# KiCad board tida_010057_imported.kicad_pcb (continued)
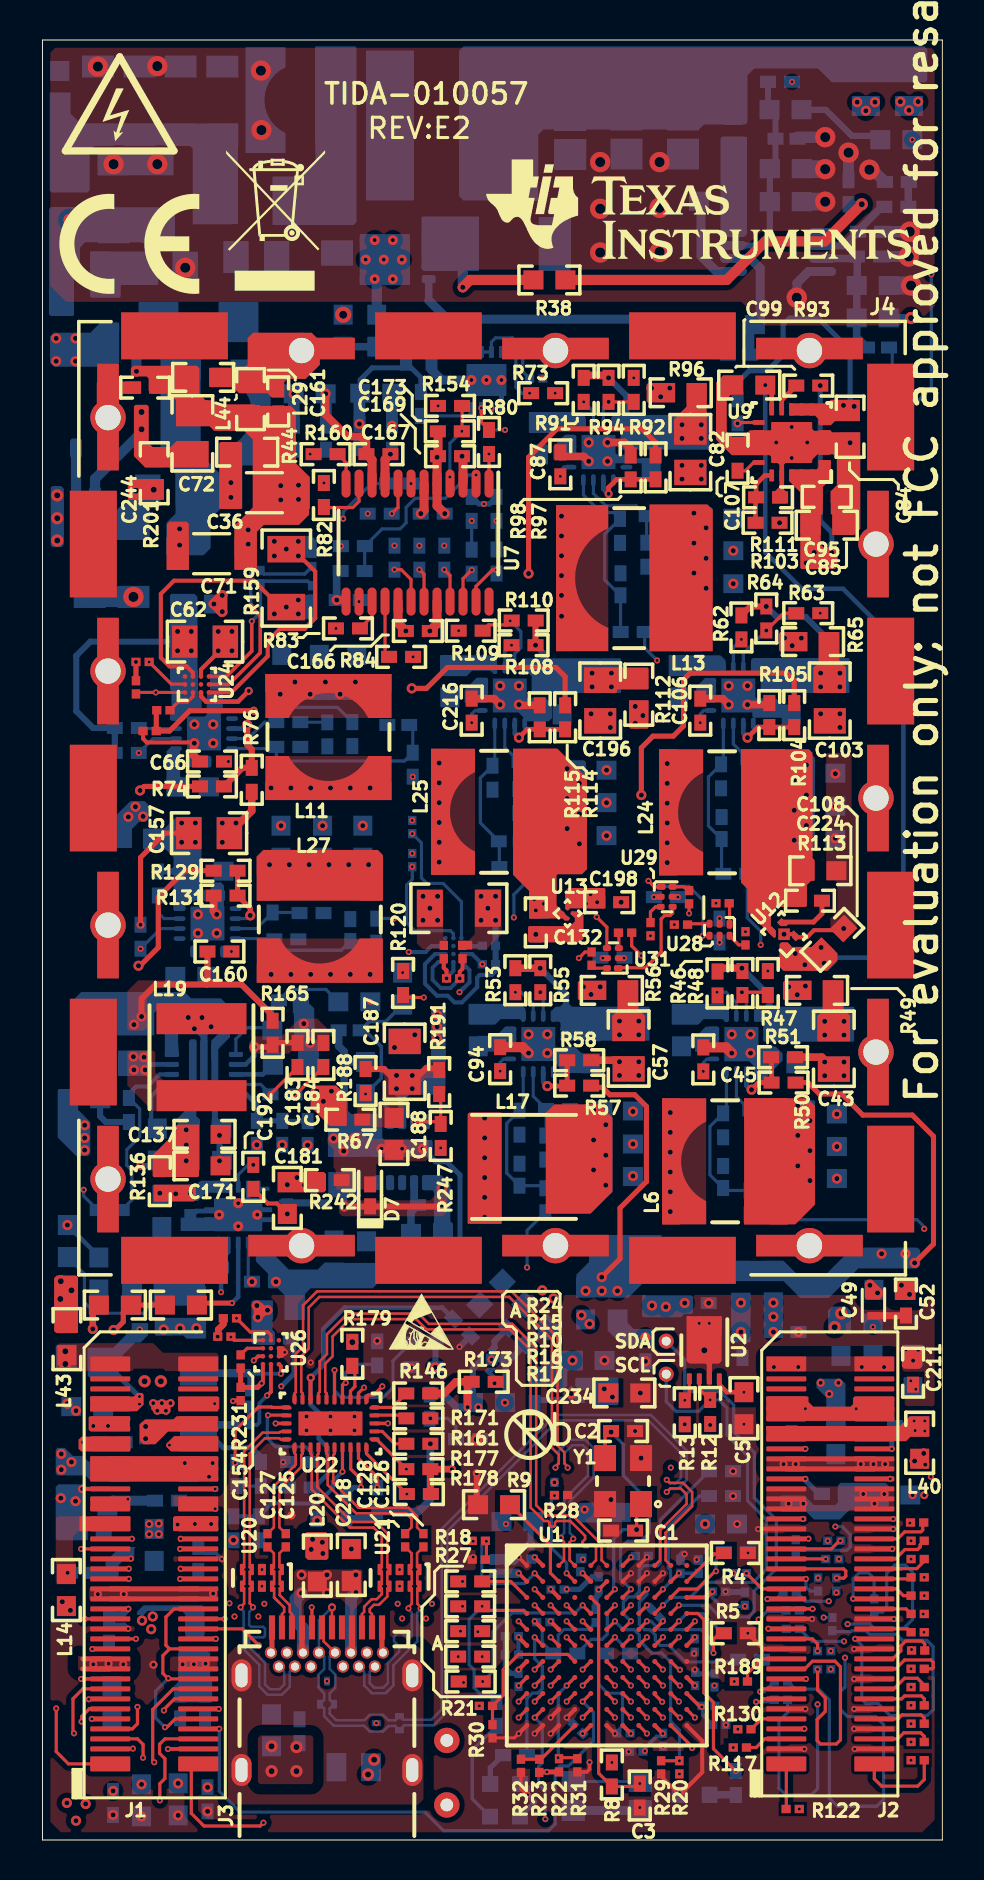
[diagram p0: board, top side]
## Nets (continued)
NetC121_1: C121.1 C179.2 C191.1 L28.1 R140.2 U15.10
NetC129_1: C129.1 J3.S1 J3.S2 J3.S3 J3.S4 L21.1
NetC130_2: C130.2 R162.1 R171.1
NetC132_1: C132.1 C135.1 C219.1 C220.1 C221.1 L25.2 R114.2 U13.A1 U13.B1
NetC157_1: C157.1 C158.1 C159.1 R124.1 R127.1 R128.1 U30.1 U30.2 U30.16
NetC160_1: C160.1 U30.9
NetC164_1: C164.1 C234.1 C235.1 L32.1 U17.1
NetC173_1: C173.1 R154.2 U7.4
NetC175_1: C175.1 R107.1
NetC176_1: C176.1 U14.13
NetC176_2: C176.2 L25.1 U14.10 U14.11 U14.12
NetC179_1: C179.1 R137.1 R140.1 U15.9
NetC181_1: C181.1 C189.1 R242.2 U15.5
NetC182_2: C182.2 R138.1 R142.2 U8.5
NetC183_1: C183.1 R164.2 U8.4
NetC184_1: C184.1 R164.1
NetC186_1: C186.1 R190.1 R239.2 U16.7
NetC187_1: C187.1 C188.1 C193.1 R67.2 R181.2 R188.2 R191.1 U16.3
NetC188_2: C188.2 C194.2 D7.2 D8.2 R239.1 R241.1 R242.1 U16.1 U16.11
NetC190_1: C190.1 R163.2 R195.2 U15.7
NetC190_2: C190.2 C195.2 C207.1 L34.2 R195.1 U15.6
NetC192_2: C192.2 U15.3
NetC196_1: C196.1 C197.1 C215.1 R108.1 R110.1 R112.1 U14.1 U14.2 U14.16
NetC198_1: C198.1 C199.1 L41.2 U13.A2
NetC206_1: C206.1 D8.1 R188.1 R241.2 U16.2
NetC208_2: C208.2 C214.2 L5.2 Q3.3 R201.1
NetC216_1: C216.1 U14.9
NetC217_1: C217.1 C218.1 J3.A4 J3.A9 J3.B4 J3.B9 L20.2
NetC222_1: C222.1 R118.2 U14.7
NetC223_1: C223.1 R118.1
NetC225_1: C225.1 R101.2 U10.7
NetC226_1: C226.1 R101.1
NetC227_1: C227.1 C228.1 C229.1 L27.2 L31.2 R129.2
NetC230_1: C230.1 R133.2 U30.7
NetC231_1: C231.1 R133.1
NetC237_2: C237.2 D10.1 R106.1 U11.8
NetC238_2: C238.2 D11.1 R116.1 U14.8
NetC239_2: C239.2 D12.1 R60.1 U4.8
NetC240_2: C240.2 D13.1 R61.1 U5.8
NetC241_1: C241.1 Q2.1 R200.2
NetC243_1: C243.1 D17.1 R139.1 U8.1
NetD1_1: D1.1 R14.2
NetD2_1: D2.1 R26.2
NetD4_1: D4.1 R34.1 U3.6
NetD4_2: D4.2 Q1.4 R34.2
NetD9_1: D9.1 R43.2
NetD18_2: D18.2 R123.2
NetJ1_10: J1.10 J1.18 J1.24 J1.32
NetL42_1: L42.1 Q2.2
NetL43_1: L43.1 Q3.2
NetQ1_1: Q1.1 Q1.2 Q1.3 R38.2 R41.2
NetR1_2: R1.2 U1.E7
NetR2_2: R2.2 U1.C10
NetR3_2: R3.2 U1.F6
NetR4_2: R4.2 U1.B11
NetR5_2: R5.2 U1.E8
NetR6_2: R6.2 U1.C9
NetR7_1: R7.1 U1.C8
NetR9_2: R9.2 U1.B3
NetR10_2: R10.2 U1.D7
NetR11_2: R11.2 U1.D6
NetR14_1: R14.1 U1.F2
NetR15_1: R15.1 R43.1 U1.D1
NetR16_1: R16.1 U1.D3
NetR17_1: R17.1 U1.D5
NetR24_1: R24.1 U1.C1
NetR25_1: R25.1 U17.3
NetR26_1: R26.1 U1.D11
NetR47_2: R47.2 R48.2 U4.15
NetR55_2: R55.2 U5.15
NetR63_2: R63.2 R64.2 U11.15
NetR69_2: R69.2 U6.15
NetR70_1: R70.1 U27.8
NetR73_2: R73.2 U27.4
NetR75_1: R75.1 R80.1 U7.1
NetR79_1: R79.1 R81.2 U7.2
NetR82_2: R82.2 U7.11
NetR83_2: R83.2 U7.15
NetR84_2: R84.2 U7.16
NetR85_2: R85.2 U7.8
NetR86_2: R86.2 U7.7
NetR87_2: R87.2 U7.18
NetR88_2: R88.2 U7.19
NetR89_2: R89.2 U7.21
NetR90_1: R90.1 U22.24
NetR92_2: R92.2 R94.2 U10.15
NetR93_1: R93.1 U9.9
NetR95_2: R95.2 U31.3
NetR99_1: R99.1 U9.11
NetR102_2: R102.2 U31.6
NetR103_1: R103.1 R111.2 U9.16
NetR109_2: R109.2 R110.2 U14.15
NetR113_1: R113.1 U12.3
NetR117_1: R117.1 U1.F10
NetR122_1: R122.1 U1.F9
NetR125_1: R125.1 U1.F7
NetR127_2: R127.2 U30.15
NetR130_1: R130.1 U1.G10
NetR135_1: R135.1 R246.1 U8.11
NetR141_2: R141.2 U8.3
NetR146_1: R146.1 U22.30
NetR149_1: R149.1 U1.G9
NetR150_1: R150.1 U1.F8
NetR155_1: R155.1 U1.H10
NetR156_1: R156.1 U1.H9
NetR157_2: R157.2 U7.22
NetR158_2: R158.2 U7.23
NetR160_2: R160.2 U7.12
NetR161_2: R161.2 U22.27
NetR163_1: R163.1 U15.8
NetR167_2: R167.2 U28.1
NetR168_1: R168.1 U22.5
NetR169_1: R169.1 U1.J10
NetR170_2: R170.2 U22.12
NetR171_2: R171.2 U22.29
NetR172_2: R172.2 U28.3
NetR173_1: R173.1 U23.3
NetR174_2: R174.2 U22.11
NetR175_2: R175.2 U28.6
NetR179_2: R179.2 U22.3
NetR184_1: R184.1 U25.B1
NetR187_2: R187.2 U29.3
NetR189_1: R189.1 U1.J9
NetR191_2: R191.2 R247.1 U16.4
NetR192_1: R192.1 U1.K11
NetR193_1: R193.1 U1.L10
NetR194_1: R194.1 U1.K10
NetR196_1: R196.1 U1.K9
NetR197_1: R197.1 U1.J8
NetR198_1: R198.1 U1.G8
NetR199_1: R199.1 U1.J6
NetR216_1: R216.1 U1.K2
NetR217_1: R217.1 U1.J4
NetR218_1: R218.1 U1.K1
NetR219_1: R219.1 U1.J2
NetR220_1: R220.1 U1.J3
NetR221_1: R221.1 U1.J1
NetR222_1: R222.1 U1.H2
NetR223_1: R223.1 U1.H3
NetR224_1: R224.1 U1.F4
NetR225_1: R225.1 U1.G2
NetR226_1: R226.1 U1.G3
NetR227_1: R227.1 U1.F3
NetR228_1: R228.1 U1.F5
NetR231_1: R231.1 U26.B1
NetR234_2: R234.2 U29.6
NetR235_1: R235.1 U24.B1
NetR240_1: R240.1 U1.E1
NetR243_1: R243.1 U1.E5
NetR244_1: R244.1 U1.E4
NetU28_4: U28.4 U29.1
NetU29_4: U29.4 U31.1
PORT: R153.1 R176.1 U22.4
RX_PG_1V2: R102.1 R108.2 U14.14
RX_PG_1V8: R91.2 R175.1 U10.14
RX_PG_3V3: R62.2 R187.1 U11.14
SSRX1_N: J3.B10 U20.5 U20.6 U22.14
SSRX1_P: J3.B11 U20.4 U20.7 U22.15
SSRX2_N: J3.A10 U21.5 U21.6 U22.18
SSRX2_P: J3.A11 U21.4 U21.7 U22.19
SSRXM: U1.A3 U22.10
SSRXP: U1.A4 U22.9
SSTX1_N: C125.1 J3.A3 U20.1 U20.10
SSTX1_N_SYS: C127.2 U22.16
SSTX1_P: C127.1 J3.A2 U20.2 U20.9
SSTX1_P_SYS: C125.2 U22.17
SSTX2_N: C126.2 J3.B3 U21.1 U21.10
SSTX2_N_SYS: C128.1 U22.20
SSTX2_P: C128.2 J3.B2 U21.2 U21.9
SSTX2_P_SYS: C126.1 U22.21
SSTXM: U1.A6 U22.7
SSTXP: U1.A5 U22.6
SYNC_1V2_FX3: C239.1 R88.1
SYNC_1V2_RX: C238.1 R82.1
SYNC_1V8_FX3: C240.1 R87.1
SYNC_1V8_RX: C69.1 R84.1
SYNC_3V3_RX: C237.1 R83.1
SYNC_5V_TX: C243.2 R89.1
SYNC_-5V_TX: C206.2 R120.1 U27.6
SYNC_FPGA_1V: C65.1 R86.1
SYNC_FPGA_2V5: C60.1 R85.1
SYNC_HV_TX: C28.1 R160.1
SYNC_INPUT: R80.2 U27.7
TX_5V: C180.2 J1.57 J1.58 J1.59 J1.60 J1.61 J1.62 L28.2
TX_-5V: C185.1 J1.67 J1.69 L34.1
UART_RX: J1.29 R17.2
UART_TX: J1.25 U1.C2
VFB_FPGA_1V: R129.1 R131.2 U30.6
VFB_FPGA_2V5: R74.1 R76.2 U6.6
VFB_FX3_1V2: R50.1 R51.2 U4.6
VFB_FX3_1V8: R57.1 R58.2 U5.6
VFB_RX_1V2: R114.1 R115.2 U14.6
VFB_RX_1V8: R97.1 R98.2 U10.6
VFB_RX_3V3: R104.1 R105.2 U11.6
VTX_5V: R54.1 R134.2 R145.2 R159.2 R181.1 U24.D1
XTALIN: C1.1 U1.C6 Y1.1
XTALOUT: C2.1 U1.C7 Y1.3

Pads without a net: J1 75 76 77 78; J2 75 76 77 78; J3 A8 B8; U1 A11 C4; U7 24; U8 9; U16 5 8 9 10; U24 A3 B2 C2; U25 A3 B2 C2; U26 A3 B2 C2

## Via types
v1: diameter 0.508, hole 0.254, Top Layer to Bottom Layer, 429 vias
v2: diameter 0.305, hole 0.152, Top Layer to Bottom Layer, 424 vias
v3: diameter 0.406, hole 0.203, Top Layer to Bottom Layer, 96 vias
v4: diameter 0.5, hole 0.2, Top Layer to Bottom Layer, 27 vias
v5: diameter 0.61, hole 0.305, Top Layer to Bottom Layer, 28 vias
v6: diameter 0.33, hole 0.152, Top Layer to Bottom Layer, 1 via
v7: diameter 1.016, hole 0.508, Top Layer to Bottom Layer, 23 vias
v8: diameter 0.813, hole 0.406, Top Layer to Bottom Layer, 1 via

## Routing (per net, layer and track width the routed paths; a pad name or vN(x,y) marks a point on that pad's centre or on a via; arc(x,y) is an arc through that point)
1.8V_AVDD:
  vias: v3(37.31,16.81) v3(38.05,16.81) v3(41.05,17.3) v3(41.61,16.81) v3(42.1,17.3)
1.8V_AVDD_VCA: length 8.8
  Top Layer w0.249: J2.59 J2.60 ; J2.61 J2.62
  vias: v3(37.06,18.8) v3(37.67,18.8) v3(40.92,18.8) v3(41.55,18.8) v3(42.14,18.8)
1V2_DVDD: length 2.7
  Top Layer w0.249: 2.01,8.56 J1.19 ; 2.02,9.06 J1.21
  vias: v3(2.54,8.79) v3(3.3,8.81) v3(4.04,8.79)
1V8_AVDD_IO_TX:
  vias: v1(5.16,20.68) v1(5.16,20.07)
1V8_DVDD: length 0.1
  Bottom Layer w0.178: v3(1.26,13.36) C91.2
1V8_VDD_RX: length 60.3
  Signal Layer 1 w0.254: v3(39.8,22.86) 38.58,24.08 38.58,26.24 36.22,28.6 36.22,30.12 37.67,31.57 40.82,31.57 43,33.76 43,57.99 36.86,64.13 v1(36.86,65.86)
  Bottom Layer w0.254: v1(39.47,64.38) 39.47,65.38 38.89,65.96 v1(38.89,72.72)
  vias: v1(0.99,11.91) v1(1.24,21.82) v1(1.4,11.48) v1(1.68,21.46) v1(38.19,63.86) v1(38.6,64.38) v1(39.07,63.86) v3(38.91,22.86) v3(39.34,22.3) v3(43.51,17.25) v3(44.09,17.25)
3.3V: length 37.7
  Top Layer w0.229: U9.10 36.47,72.42 v3(36.14,72.75)
  Bottom Layer w0.229: v3(36.14,72.75) 36.14,72.74 36.14,64.39 37.97,62.56 40.03,62.56 43.05,59.54 43.05,45.24 41.94,44.12 39.45,44.12 v1(38.94,44.63)
  vias: v1(37.64,44.32) v1(38.13,43.76) v1(39.09,43.84) v1(43.61,18.95) v1(44.07,19.33) v3(44.15,18.77)
3.3V_AVDD:
  vias: v2(43.59,20.96) v2(43.64,20.47) v2(44.12,20.96) v2(44.12,20.45)
AVSS: length 11.3
  Top Layer w0.203: v3(1.98,17.55) 1.99,17.56 J1.55
  Bottom Layer w0.254: v3(2.03,19.89) C151.1 ; v2(4.85,21.79) v2(4.85,22.17) 4.83,22.17 2.87,24.13 C38.1 ; v2(11.94,22.68) 11.95,22.68 12.58,23.31 12.58,24.83 12.42,24.99 ; C213.1 42.47,20.54 v2(42.47,19.56) ; C93.1 37.48,21.56 v2(38.15,21.56) ; v2(38.15,18.06) 38.15,17.98 38.84,17.3 C92.1
  vias: v1(0.91,17.09) v1(1.65,16.94) v2(4.86,25.53) v2(6.35,19.74) v2(8.61,21.82) v2(8.64,17.55) v2(38.02,16.05) v2(38.15,19.56) v2(40.69,21.56) v2(41.53,25.65) v2(42.39,18.06) v2(42.55,16.05) v2(43.42,22.96) v2(43.67,22.54)
GND_A7: length 6.1
  Top Layer w0.279: C183.2 12.73,39.87 11.51,39.87 11.29,39.65 v1(10.59,39.65)
  Bottom Layer w0.229: U8.2 10.15,38.78 10.59,39.22 v1(10.59,39.65)
  Bottom Layer w0.279: 5.74,33.97 5.74,33.71 v3(4.9,33.71) ; v1(13.07,40.82) 12.92,40.97 D17.2
  vias: v1(10.72,34.76) v1(11.99,34.76) v1(13.39,39.85)
GND_SIG: length 84.7
  Top Layer w0.152: R30.1 23.6,5.11 v2(23.81,5.32)
  Top Layer w0.178: v2(31.85,2.36) 31.76,2.36 30.94,3.19 R29.1 ; v2(11.66,20.83) U22.13 12.28,20.83 ; U1.B8 v2(30.23,13.34) ; R31.1 27.23,3.4 27.36,3.53 v2(27.36,3.89) ; v2(10.57,23.98) 10.78,24.19 U26.C1 ; U1.D8 v2(30.23,11.74) ; 4.04,17.04 4.03,17.06 J1.53 ; J1.17 1.93,8.06 v2(1.93,8.05) ; U22.28 v2(17.27,20.83) ; R32.1 23.93,2.57 24.23,2.26 v2(24.26,2.26) ; J1.45 4.46,15.06 v2(4.47,15.06) 4.53,15.06 ; U1.A8 v2(30.23,14.14) ; U1.B7 v2(29.43,13.34) ; U1.B9 v2(31.03,13.34) ; v2(23.81,14.14) U1.A1 ; 8.15,17.06 8.17,17.07
  Top Layer w0.203: v2(31.85,2.36) 31.97,2.36 32.99,3.39 32.99,4.95 U1.L11 ; v2(42.55,15.54) 42.53,15.56 J2.48 ; C154.2 9.56,21.97 v2(9.53,21.95) ; v2(23.81,8.52) U1.G1 ; v5(33.1,24.49) 33.85,25.24 U2.1 ; J2.29 38.49,11.06 v2(38.48,11.05) ; J2.47 35.8,15.56 v2(35.79,15.54) ; v2(23.81,5.32) U1.L1 ; J2.23 36.05,9.56 v2(35.27,10.34) ; v2(26.21,6.12) U1.K4 ; U1.L6 v2(28.63,5.32) ; v2(24.61,10.94) U1.E2 ; v2(25.41,5.32) U1.L3 ; v2(25.41,6.12) U1.K3 ; v2(24.61,5.32) U1.L2
  Top Layer w0.25: U2.7 33.35,24.24
  Top Layer w0.254: U2.3 32.84,25.91 v2(32.84,25.83) ; U29.2 30.59,47.16 v2(30.58,47.14) ; v5(33.1,24.49) 33.35,24.24
  Top Layer w0.305: 21.72,16.83 v3(21.72,18.34)
  Top Layer w0.356: C49.2 43.17,26.21 C52.1
  Top Layer w0.45: v1(17.4,69.29) 17.13,69.02 U7.9 ; C169.2 19.78,70.42 C173.2 ; v1(19.73,69.14) U7.5 19.73,66.71 v1(20.12,66.32) ; U7.20 19.73,60.81 v1(19.37,60.45)
  Top Layer w0.508: 21.72,16.83 R9.1
  Bottom Layer w0.152: v2(23.81,14.14) 23.61,14.14 C15.2 ; 24.41,15.63 24.57,15.8 ; v2(24.61,10.94) 24.61,10.9 24.99,10.52 24.99,9.87 R11.1 25.79,9.56 25.79,10.24 26.07,10.53 27.32,10.53 C143.2 ; v2(28.63,5.32) 28.63,5.34 29.01,5.72 29.01,7.24 28.91,7.34 28.26,7.34 27.81,7.79 27.81,9.07 28.01,9.27
  Bottom Layer w0.178: v2(8.97,14.05) 8.68,14.33 8.11,14.33 C163.1 ; 32.64,9.47 32.64,9.45 32.66,9.42 ; v2(32.11,14.3) 31.83,14.02 31.83,14 ; v2(32.63,8.52) 32.64,8.53 ; v2(26.21,6.12) C13.2
  Bottom Layer w0.203: U25.B3 19.45,44.7 19.15,44.4 v2(18.31,44.4) ; v1(26.44,22.33) 26.77,22 U17.2 ; v2(4.29,10.57) 4.09,10.77 3.56,10.77 ; v2(35.27,10.34) 35.98,9.63 R7.2 ; U25.C1 21.49,44.3 v2(22,43.79)
  Bottom Layer w0.234: v4(22.2,73) 22.95,72.25
  Bottom Layer w0.25: U27.5 22.95,72.25
  Bottom Layer w0.254: C146.2 C150.2 23.14,8.61 23.42,8.33 C9.2 ; 32.63,8.5 32.82,8.31 C147.2 ; 30.55,11.54 30.35,11.74 v2(30.23,11.74) ; D9.2 24.61,1.91 v2(24.26,2.26) 24.26,2.62 24.08,2.79 D1.2 ; C144.2 27.48,13.16 26.86,12.53 v2(26.21,12.53)
  Bottom Layer w0.305: v2(20.85,24.65) C133.2 ; v2(34.16,12.42) 34.19,12.4 C19.2 ; v2(24.41,14.71) 24.41,15.63 ; v2(4.29,11.56) 4.01,11.28 3.51,11.28 3.31,11.08
  Bottom Layer w0.45: S1.1 29.72,1.47 v2(29.87,1.62) ; C77.2 19.46,73.51 19.96,73 v4(21.45,73)
  Bottom Layer w0.508: L36.1 3.52,16.97 C162.1
  vias: v1(3.53,1.25) v1(4.95,1.18) v1(6.78,1.23) v1(8.26,1.43) v1(28.11,23.98) v1(28.42,17.02) v1(29.9,22.35) v1(29.93,19.1) v1(30.15,23.94) v1(33.32,26.85) v1(37.81,25.4) v2(2.49,9.55) v2(2.46,6.06) v2(4.27,17.04) v2(4.32,13.06) v2(4.42,14.07) v2(6.91,15.06) v2(6.88,13.06) v2(8.64,16.56) v2(12.04,18.9) v2(12.12,24.38) v2(13.41,23.88) v2(15.83,61.92) v2(21.54,14.15) v2(27.03,14.02) v2(29.08,44.09) v2(29.31,4.42) v2(31.04,4.65) v2(32.59,9.32) v2(32.72,14.02) v2(33.35,25.83) v2(33.86,46.08) v2(34.18,5.75) v2(35.08,20.79) v2(35.28,14.35) v2(38.1,5.56) v2(38.1,4.55) v2(38.18,8.05) v2(38.15,6.55) v2(40.59,9.55) v2(40.59,8.05) v2(40.59,6.55) v2(40.59,5.56) v2(40.61,4.55) v2(42.49,14.55) v2(42.57,11.05) v3(5.55,8.76) v3(12.45,16.23) v3(16.74,24.96) v3(18.44,23.63) v3(29.63,20.45) v3(34.53,18.44) v3(34.53,17.2) v3(34.73,15.8) v3(43.18,24.54) v3(43.54,23.97) v3(43.79,24.51) v4(13.2,21.18) v4(13.2,20.48) v4(14.4,21.18) v4(14.4,20.48) v4(15.6,21.18) v4(15.6,20.48) v4(22.95,73) v5(21.72,20.02)
PGND: length 82
  Top Layer w0.203: C62.2 9.14,59.74 7.92,58.52 U24.C3 ; v1(40.06,45.57) 39.98,45.49 38.58,45.49 38.23,45.14 U12.2 37.54,45.29 v1(37.08,45.29) ; v1(12.24,31.3) 11.72,31.83 11.25,31.83 11.25,31.85 10.54,32.56 ; 7.56,54.88 5.22,54.88 5.03,55.07 C155.2
  Top Layer w0.229: v3(10.31,57.45) 9.78,56.92 8.18,56.92 7.92,57.18 U24.C1
  Top Layer w0.254: J3.A1 11.47,9.42 J3.B12 ; J3.B1 16.97,9.42 J3.A12
  Top Layer w0.305: v1(15.09,31.67) 19.9,31.67 v1(19.98,31.75) ; R165.1 11.51,41.22 9.96,42.77 8.23,42.77 ; C160.2 8.25,42.79 8.23,42.77 ; v1(4.95,41.17) 4.95,42.06 5.66,42.77 8.23,42.77
  Top Layer w0.381: v1(27.32,68.94) 27.08,69.18 25.9,69.18 C87.2 ; 7.56,54.88 7.56,54.24 C66.2 ; v1(22.89,56.77) 22.59,57.07 C216.2 ; v1(8.71,46.28) 8.55,46.44 R131.1 ; R98.1 29.41,69.57 29.11,69.88 v1(28.26,69.88) ; R76.1 10.46,51.46 C157.2 ; C106.2 34.02,57.07 v1(34.32,56.77) ; C43.2 38.98,39.14 R51.1 ; R105.1 36.27,56.77 v1(35.26,56.77) ; v1(23.83,56.77) 23.86,56.73 R115.1 ; C57.2 28.88,38.99 R58.1
  Top Layer w0.508: C157.2 9.49,50.2 ; C94.2 24.01,39.64 v1(24.31,39.34) ; v1(34.47,39.34) 34.18,39.63 C45.2
  Bottom Layer w0.241: U15.11 9.61,31.45 7.69,31.45 C122.2 ; U15.11 10.29,31.76 U15.4 ; U15.11 9.1,30.58 8.51,30.58
  Bottom Layer w0.254: C122.2 7.96,30.58 8.51,30.58
  Bottom Layer w0.305: R190.2 20.03,31.7 v1(19.98,31.75) v1(19.98,32.6) 19.71,32.87 U16.6 ; C203.2 24.37,24.75 C202.1 23.39,24.03 23.03,24.03 ; 22.91,24.03 23.03,24.03 ; 22.91,24.03 v3(22.45,24.03) ; 22.91,24.03 22.97,24.09 ; 23.03,24.03 23.16,23.9 23.16,21.9 v3(23.13,21.87) ; 4.85,40.87 5.79,41.81 8.84,41.81 9.14,41.5 9.14,40.28 8.62,39.76 U8.6 8.62,35.82 8.85,35.59 v1(8.85,35.23) v1(8.85,33.96) ; v1(15.09,31.67) C194.1
  vias: v1(3.53,2.45) v1(4.57,40.77) v1(4.95,2.78) v1(6.78,2.83) v1(7.59,55.78) v1(7.59,54.84) v1(7.77,46.28) v1(7.77,45.34) v1(8.26,2.63) v1(8.53,55.78) v1(8.53,54.84) v1(8.71,45.34) v1(8.79,60.43) v1(8.79,59.46) v1(8.99,50.85) v1(8.99,49.89) v1(9.47,60.43) v1(9.47,59.46) v1(9.68,50.85) v1(11.93,50.72) v1(13.74,15.97) v1(14.01,50.72) v1(15.44,14.55) v1(16.02,50.72) v1(17.6,39.62) v1(18.62,40.26) v1(22.89,57.71) v1(23.83,57.71) v1(24.31,40.28) v1(24.67,45.28) v1(25.25,40.28) v1(25.25,39.34) v1(27.32,69.88) v1(27.43,56.31) v1(28.21,53.49) v1(28.21,51.87) v1(28.21,50.22) v1(28.26,68.94) v1(28.4,56.31) v1(28.4,55.63) v1(28.94,46.89) v1(28.85,38.91) v1(28.85,38.23) v1(29.53,36.42) v1(29.53,34.8) v1(29.53,33.2) v1(29.82,38.91) v1(29.82,38.23) v1(31.98,68.73) v1(31.98,68.05) v1(32.94,68.73) v1(32.94,68.05) v1(34.32,57.71) v1(34.54,64.47) v1(34.54,62.81) v1(34.47,40.28) v1(35.26,57.71) v1(35.41,40.28) v1(35.41,39.34) v1(38.91,56.31) v1(39.12,38.9) v1(39.12,38.21) v1(39.65,53.31) v1(39.65,51.69) v1(39.65,50.09) v1(39.73,36.3) v1(39.73,34.67) v1(39.73,33.07) v1(39.88,56.31) v1(39.88,55.63) v1(40.08,38.9) v1(40.08,38.21) v1(40.39,69.86) v2(9.35,11.84) v2(9.6,11.18) v2(10.8,11.18) v2(10.97,13.52) v2(10.97,12.69) v2(11.09,11.81) v2(14.22,7.94) v2(16.7,5.84) v2(17.76,11.81) v2(17.86,13.52) v2(17.86,12.69) v2(17.98,11.07) v2(19.18,11.07) v2(19.48,11.81) v4(8.84,31.26) v4(9.79,31.84) v4(9.79,30.69) v4(10.74,31.26) v4(36.69,69.88) v4(37.47,70.65) v4(37.47,69.1) v4(38.24,69.88) v5(11.46,4.69) v5(11.46,3.44) v5(12.7,4.65) v5(12.7,3.44)
VBUS: length 52.1
  Top Layer w0.178: U1.E11 v2(32.63,10.94)
  Top Layer w0.203: v1(12.19,61.65) 11.89,61.65 10.57,62.97 6.58,62.97 5.92,62.31 5.92,59.12 6.36,58.68 7.21,58.68 7.52,58.37 U24.B3
  Top Layer w0.254: 21.26,22.71 R173.2 ; U29.5 31.77,47.16 31.78,47.17 ; v2(33.86,44.88) U28.5 ; R235.2 5.69,56.46 C155.1 6.35,55.45 7.37,56.46 v3(10.57,56.46)
  Top Layer w0.381: R173.2 20.67,22.91 20.09,22.33 R146.2 ; v3(21.26,21.64) 21.26,22.71
  Bottom Layer w0.203: C152.1 22.66,43.43 22.48,43.26 21.87,43.26 21.74,43.12 21.74,42.64 20.98,41.88 20.6,41.88 20.27,42.21 19.73,42.21 19.13,42.82 19.13,43.79 19.63,44.3 U25.C3
  Bottom Layer w0.254: 7.79,20.61 8.05,20.61 9.04,19.61 10.49,19.61 10.92,19.18 R147.2
  Bottom Layer w0.305: C131.1 21.53,23.57 21.84,23.88 ; R168.2 19.65,23.64 v1(19.64,23.63) ; v1(22.66,45.99) 22.66,45.98 R184.2 C152.1 ; 12.79,62.03 12.8,62.03
  Bottom Layer w0.381: 7.79,20.61 7.93,20.75 R229.2 ; v3(21.26,21.64) 20.7,21.64 20.07,22.27 C130.1 ; R180.2 9.57,14.99 9.56,14.99 v1(9.55,14.99) ; v1(19.4,19.81) 19.4,17.01 18.82,16.43 R90.2 16.37,16.06 R238.1
  vias: v1(11.59,61.3) v1(12.79,62) v1(12.79,61.3) v1(21.93,47.19) v1(21.93,45.99) v1(22.27,46.59) v1(22.66,47.19) v1(29.64,56.68) v1(29.64,55.84) v1(30.02,56.22) v1(30.45,72.59) v1(30.91,72.16) v1(31.37,72.59) v1(37.11,60.1) v1(37.31,42.66) v1(37.49,59.72) v1(37.74,42.27) v1(37.95,60.1) v1(38.15,42.7) v2(28.02,44.09) v2(31.78,47.14) v3(5.54,21.84) v3(5.74,21.46) v3(5.97,21.84) v3(6.17,21.46) v3(6.4,21.84) v3(21.79,21.64) v5(15.49,24.89)
VBUS_USB: length 4.8
  Top Layer w0.191: U26.D1 11.02,22.9 v2(10.96,22.83)
  Top Layer w0.254: R231.2 C154.1 10.75,22.63 v2(10.96,22.83)
  Bottom Layer w0.381: R166.2 7.82,23.34 R230.2
  vias: v1(13.44,14.53) v1(13.51,15.03) v1(14,14.88) v1(14.02,14.33) v5(5.11,22.94) v5(5.92,22.94)
VCC_3.3V: length 17.2
  Top Layer w0.198: U22.8 13.4,23.1 v3(13.41,23.11)
  Bottom Layer w0.229: C133.1 19.99,26.62 15.11,26.62 14.05,25.55 14.05,23.75 v3(13.41,23.11) 13.41,21.77 13.82,21.36 13.82,20.07 14.27,19.62 14.27,18.3 13.59,17.63 R148.1
VCC_3.3V_CDCE: length 76.5
  Signal Layer 1 w0.584: v1(24.99,27.48) 25.15,27.48 v1(25.55,27.08) 25.55,24.93 v1(26.51,23.98)
  Signal Layer 2 w0.381: v1(12.56,72.31) 12.56,71.29 15.67,68.17 15.67,64.71 15.05,64.08 14.07,64.08 13.51,63.53 13.51,59.46 14.16,58.81 15.89,58.81 21.53,53.17 21.53,50 22.76,48.77 30.25,48.77 30.96,48.06 34.14,48.06 34.87,47.32 34.87,46.08 34.57,45.77 34.57,44.2 33.83,43.46 32.64,43.46 31.88,42.7 31.88,38.48 30.15,36.76 30.15,31.68 v1(25.55,27.08) 25.15,27.48 v1(24.99,27.48)
  Bottom Layer w0.305: C202.2 22.6,24.94 U23.1
  Bottom Layer w0.584: C174.1 12.57,72.3 v1(12.56,72.31)
VCC_AUX_1V8:
  vias: v3(7.01,8.79) v3(7.57,8.79) v3(8.15,8.81)
VCC_FX3_AVDD: length 0.6
  Top Layer w0.178: U1.A7 v2(29.43,14.14)
  vias: v1(41.38,27.74) v1(41.76,27.36)
VCC_FX3_CVDDQ: length 1.6
  Top Layer w0.178: v2(27.81,12.52) U1.B6
  Bottom Layer w0.305: v2(27.81,12.52) 27.81,12.27 27.66,12.12 C143.1
  vias: v1(26.95,26.24) v1(27.36,25.81) v2(21.54,14.94) v2(28.47,3.88) v2(31.85,3.3) v3(25.6,17.88)
VCC_FX3_DVDD: length 7.3
  Top Layer w0.178: U1.E9 v2(31.03,10.94) ; U1.B10 v2(31.83,13.34) ; v2(23.81,7.72) U1.H1 ; v2(32.97,6.65) 32.89,6.65 U1.J11
  Top Layer w0.203: U1.L7 v2(29.43,5.32) ; v2(27.01,5.32) U1.L5 ; v2(25.41,12.53) U1.C3 ; U1.F11 v2(32.63,10.14)
  Bottom Layer w0.178: 32.79,13.31 32.77,13.34 v2(31.83,13.34) ; 32.92,6.76 33.02,6.76 33.02,6.25 C138.1
  vias: v1(33.13,15.8) v1(36.55,26.86) v1(36.55,26.16) v1(36.55,25.4)
VCC_FX3_RXVDDQ: length 0.7
  Top Layer w0.203: v2(24.61,14.14) U1.A2
  Bottom Layer w0.178: v2(24.61,14.14) 24.6,14.14 24.51,14.05
  vias: v1(34.92,26.86) v1(34.92,25.4) v2(23.17,15.8)
VCC_FX3_TXVDDQ: length 0.6
  Top Layer w0.203: v2(27.01,13.34) U1.B5
  vias: v1(42.95,27.74) v1(43.36,27.28) v3(27.11,16.53)
VCC_FX3_VIO: length 11.1
  Top Layer w0.178: v2(23.81,13.34) U1.B1
  Top Layer w0.203: v2(33.5,12.42) 33.21,12.13 U1.C11 ; v2(25.41,10.94) U1.E3 ; U1.L9 v2(31.03,5.32) ; U1.H11 v2(32.63,7.72) ; v2(23.81,10.14) U1.F1
  Top Layer w0.249: R22.2 v2(25.22,3.4) 24.87,3.4 R23.2
  Bottom Layer w0.178: 30.96,5.18 30.96,5.18 30.72,5.18 30.05,4.51 30.05,4.44 ; 30.92,5.22 v2(31.03,5.32) ; 23.79,13.31 v2(23.81,13.34) C15.1 C149.1 ; v2(33.5,12.42) 33.5,12.12 33.93,11.68 v2(35.13,11.68)
  Bottom Layer w0.203: C150.1 23.8,10.12 v2(23.81,10.14) ; v2(33.5,12.42) 33.5,12.52
  vias: v1(30.48,26.72) v1(31.17,26.66) v1(32.12,26.85) v2(21.01,11.68) v2(21.84,6.71) v2(30.12,4.44) v2(33.6,7.72)
VCC_INT_1V: length 8.8
  Top Layer w0.249: J1.35 J1.36 ; J1.33 J1.34
  vias: v3(2.77,12.29) v3(4.06,12.29) v3(8.53,12.32)
VCCO_2V5:
  vias: v3(6.76,15.77) v3(7.62,15.8) v3(8.43,15.8)
VDD: length 54.5
  Top Layer w0.381: U7.13 15.1,62 v1(14.71,62) ; v1(20.98,69.19) 21.03,69.14
  Top Layer w0.45: U7.3 21.03,69.14
  Signal Layer 2 w0.381: 19,74.27 15.04,74.27 13.53,72.77 13.53,71.68 13.94,71.27 15.38,71.27 v1(15.85,70.8) 16.05,70.6 16.05,68.94 16.89,68.1 16.89,64.97 14.71,62.8 v1(14.71,62) ; 19,74.27 21.34,74.27 23.47,76.4 26.78,76.4 27.53,75.65 27.53,73.61 26.26,72.34 v2(25.63,72.34) ; 19,74.27 19.05,74.22 19.05,71.12 v1(20.98,69.19) 20.98,67.89 v2(22.07,66.8)
  Bottom Layer w0.254: 15.85,72.3 15.85,72.34 ; R70.2 18.92,73.13 R68.1 17.93,73.61 16.48,73.61 15.89,73.01 L32.2 ; R78.2 22.35,66.8 v2(22.07,66.8) 21.82,66.8 R77.2
  Bottom Layer w0.381: v1(14.71,62) 14.71,63.25 R79.2
  Bottom Layer w0.584: v1(15.85,70.8) 15.85,72.3
VDD_FPGA: length 1.9
  Bottom Layer w0.203: U25.D1 21.35,43.49 21.35,42.88 21.07,42.59 21.05,42.59 v2(20.85,42.39)
  vias: v1(4.29,51.16) v1(4.65,51.66) v1(5.03,51.18) v1(8.57,61.8) v1(8.99,62.23) v1(8.99,61.42) v1(19.03,47.19) v1(19.03,45.99) v1(19.37,46.59) v1(19.76,47.19) v1(19.76,45.99) v1(27.05,42.66) v1(27.43,42.28) v1(27.89,42.66)
VDD_OUT: length 27.1
  Top Layer w0.381: v1(14.16,72.31) 14.16,71.26 15.24,70.18 15.9,70.18 16.2,69.88 C167.1
  Top Layer w0.45: v1(18.92,66.32) 19.08,66.48 U7.6 ; v1(18.17,60.45) 17.78,60.84 U7.17 ; C167.1 16.48,69.01 U7.10
  Signal Layer 2 w0.381: v1(14.16,72.31) 17.73,72.31 18.24,71.81 18.24,69.37 19.21,68.39 19.21,66.62 v1(18.92,66.32) 18.17,65.57 v1(18.17,60.45)
  Bottom Layer w0.584: C172.1 14.17,72.3 v1(14.16,72.31)
VIN1+: length 3.2
  Top Layer w0.191: v2(11.92,23.31) 11.92,23.69 U26.D3
  Bottom Layer w0.191: 10.24,23.31 10.34,23.22 C153.2 ; 10.24,23.31 v2(11.92,23.31) ; 10.24,23.31 R230.1
VIN1-: length 4.7
  Top Layer w0.191: v2(11.23,22.22) 11.42,22.42 U26.D2
  Bottom Layer w0.191: v2(11.23,22.22) 10.85,21.84 10.85,20.88 10.72,20.75 R229.1 10.31,21.72 C153.1
VIN2+: length 9
  Top Layer w0.178: v2(10.46,60.93) 10.46,59.45 9.2,58.18 U24.D3
  Bottom Layer w0.178: R144.1 13.26,62.94 11.02,62.94 C156.1 10.9,61.37 v2(10.46,60.93)
VIN2-: length 10.8
  Top Layer w0.178: U24.D2 9.31,57.78 10.89,59.36 10.89,61.22 v2(10.41,61.7)
  Bottom Layer w0.178: R145.1 13.11,63.3 11.07,63.3 C156.2 10.54,63.47 10.41,63.35 v2(10.41,61.7)
VIN3+: length 4.2
  Top Layer w0.191: v3(20.86,43.08) 20.86,43.42 21.01,43.56 R151.1
  Bottom Layer w0.191: U25.D3 19.79,43.9 19.51,43.61 19.51,43.01 19.91,42.6 20.4,42.6 20.86,43.06 v3(20.86,43.08)
VIN3-: length 2
  Top Layer w0.203: v3(20.2,43.08) 20.2,43.47 20.07,43.61 R183.1
  Bottom Layer w0.203: U25.D2 20.55,43.45 20.2,43.11 v3(20.2,43.08)
ADDR: length 7.8
  Top Layer w0.159: v2(15,18.41) U22.22
  Bottom Layer w0.203: R180.1 R182.1 11.47,16.83 13.75,16.83 14.52,17.6 14.52,17.93 v2(15,18.41)